# Altium PCB ADAPTONE_PCB_COPY.PcbDoc (part 9 of 11)
Units mil, origin at the board's own origin, x right, y up, seen from the top; angles counter-clockwise.
Board outline 10236.22 x 6701.71 mil, 4 copper layers (Top Layer, GND, Internal Plane 2, Bottom Layer), stack 30.2 mil thick; 1794 components, 935 nets, 4745 pads, 575 vias.
Unrouted connection lines stored in the file: 997.
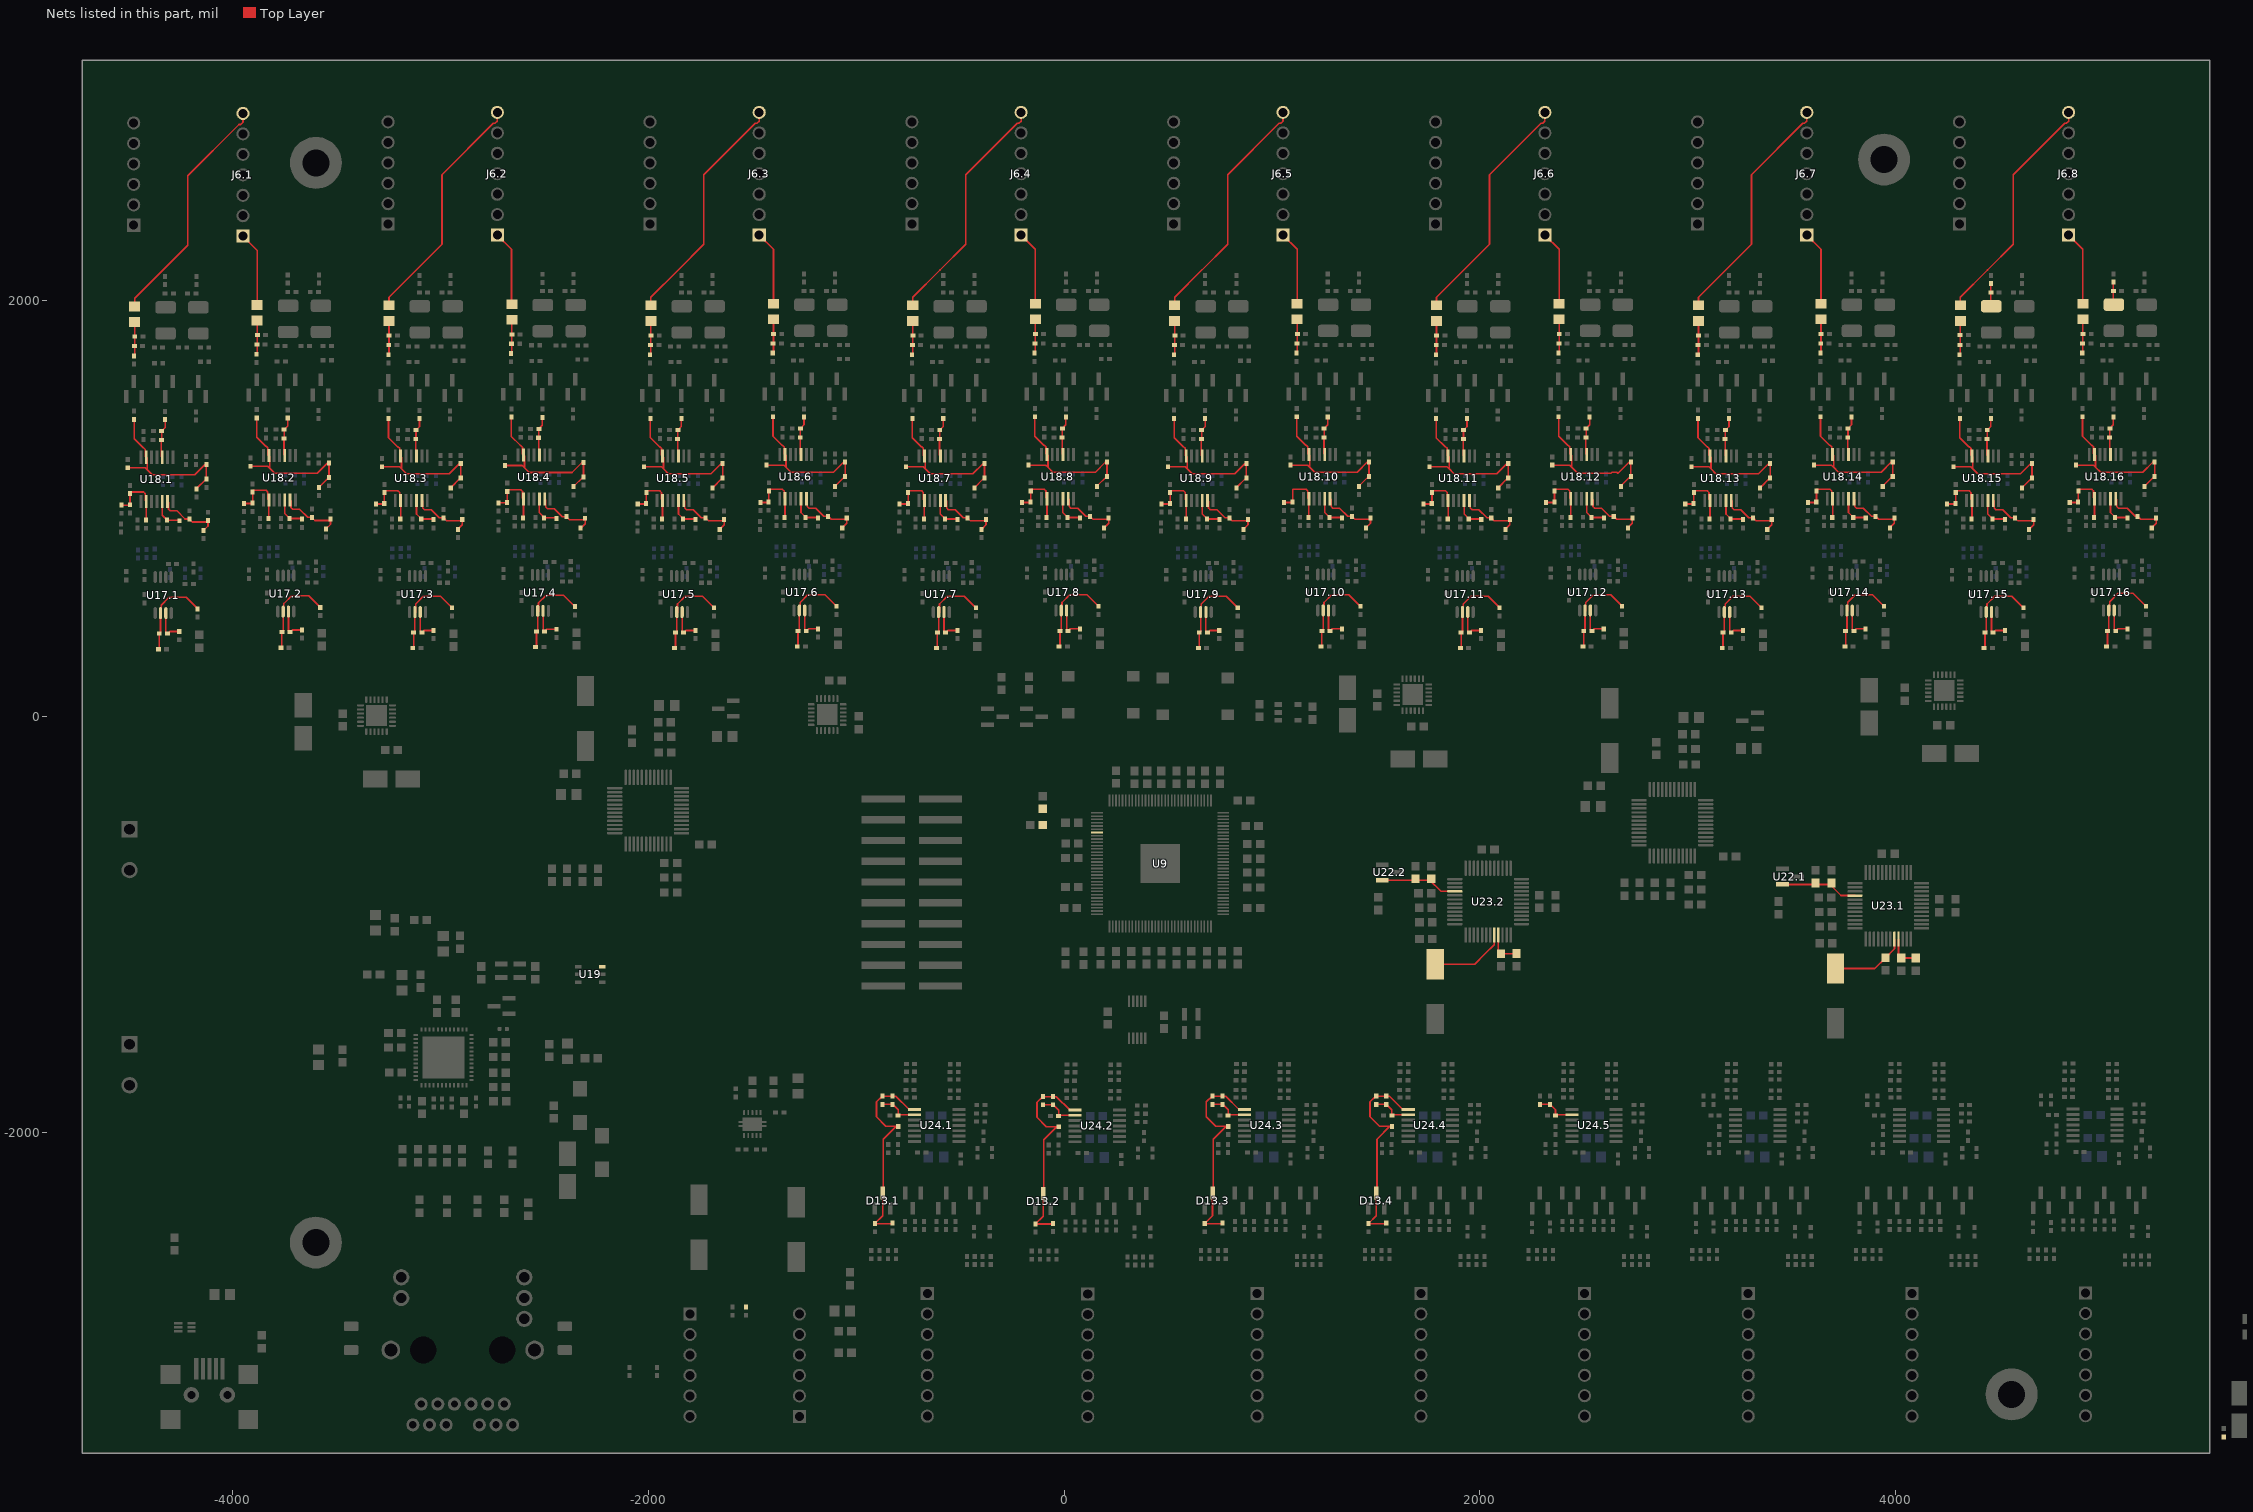
[diagram p11: the nets of this part, all layers, seen from the top]

## Via types
v1: diameter 25, hole 12, Top Layer to Bottom Layer, 566 vias
v2: diameter 19.68, hole 7.87, Top Layer to Bottom Layer, 9 vias

## Nets (pads, with @x,y where several pads share a name; then routed paths per layer and width w, separated by ;. In a path a pad name is that pad's centre, name@x,y a point inside that pad or via, vN(x,y) a via of type N, cw(c..) or ccw(c..) an arc to the next point about the centre after c; other vN are vias at no path point) (continued)
NetC72.15_1: C72.15.1 R45.15.2 R46.15.2 | length 109.9
  Top Layer w8: R46.15.2@4457.8,2083.17 4457.8,1976.23 C72.15.1@4459.87,1974.16
NetC72.16_1: C72.16.1 R45.16.2 R46.16.2 | length 109.9
  Top Layer w8: R46.16.2@5047.47,2090.65 5047.47,1983.71 C72.16.1@5049.54,1981.64
NetC73.1_2: C73.1.2 R44.1.2 R48.1.1 U18.1.3 | length 190
  Top Layer w8: U18.1.3@-4338.96,1247.96 -4342.87,1251.86 C73.1.2@-4342.87,1330.78 -4341.87,1331.78 R48.1.1@-4341.87,1373.78 -4324.84,1390.81 R44.1.2@-4324.84,1428.83
NetC73.2_2: C73.2.2 R44.2.2 R48.2.1 U18.2.3 | length 190
  Top Layer w8: U18.2.3@-3749.29,1255.43 -3753.2,1259.34 C73.2.2@-3753.2,1338.25 -3752.2,1339.25 R48.2.1@-3752.2,1381.25 -3735.17,1398.28 R44.2.2@-3735.17,1436.31
NetC73.3_2: C73.3.2 R44.3.2 R48.3.1 U18.3.3 | length 190
  Top Layer w8: U18.3.3@-3115.38,1253.09 -3119.29,1257 C73.3.2@-3119.29,1335.92 -3118.29,1336.92 R48.3.1@-3118.29,1378.92 -3101.26,1395.94 R44.3.2@-3101.26,1433.97
NetC73.4_2: C73.4.2 R44.4.2 R48.4.1 U18.4.3 | length 190
  Top Layer w8: U18.4.3@-2524.35,1258.68 -2528.26,1262.59 C73.4.2@-2528.26,1341.51 -2527.26,1342.51 R48.4.1@-2527.26,1384.51 -2510.23,1401.53 R44.4.2@-2510.23,1439.56
NetC73.5_2: C73.5.2 R44.5.2 R48.5.1 U18.5.3 | length 190
  Top Layer w8: U18.5.3@-1855.54,1253.09 -1859.44,1257 C73.5.2@-1859.44,1335.92 -1858.44,1336.92 R48.5.1@-1858.44,1378.92 -1841.42,1395.94 R44.5.2@-1841.42,1433.97
NetC73.6_2: C73.6.2 R44.6.2 R48.6.1 U18.6.3 | length 190
  Top Layer w8: U18.6.3@-1265.87,1260.57 -1269.77,1264.47 C73.6.2@-1269.77,1343.39 -1268.77,1344.39 R48.6.1@-1268.77,1386.39 -1251.75,1403.42 R44.6.2@-1251.75,1441.44
NetC73.7_2: C73.7.2 R44.7.2 R48.7.1 U18.7.3 | length 190
  Top Layer w8: U18.7.3@-595.7,1253.09 -599.6,1257 C73.7.2@-599.6,1335.92 -598.6,1336.92 R48.7.1@-598.6,1378.92 -581.57,1395.94 R44.7.2@-581.57,1433.97
NetC73.8_2: C73.8.2 R44.8.2 R48.8.1 U18.8.3 | length 190
  Top Layer w8: U18.8.3@-6.02,1260.57 -9.93,1264.47 C73.8.2@-9.93,1343.39 -8.93,1344.39 R48.8.1@-8.93,1386.39 8.1,1403.42 R44.8.2@8.1,1441.44
NetC73.9_2: C73.9.2 R44.9.2 R48.9.1 U18.9.3 | length 190
  Top Layer w8: U18.9.3@664.15,1253.09 660.24,1257 C73.9.2@660.24,1335.92 661.24,1336.92 R48.9.1@661.24,1378.92 678.27,1395.94 R44.9.2@678.27,1433.97
NetC73.10_2: C73.10.2 R44.10.2 R48.10.1 U18.10.3 | length 190
  Top Layer w8: U18.10.3@1253.82,1260.57 1249.91,1264.47 C73.10.2@1249.91,1343.39 1250.91,1344.39 R48.10.1@1250.91,1386.39 1267.94,1403.42 R44.10.2@1267.94,1441.44
NetC73.11_2: C73.11.2 R44.11.2 R48.11.1 U18.11.3 | length 190
  Top Layer w8: U18.11.3@1923.99,1253.09 1920.08,1257 C73.11.2@1920.08,1335.92 1921.08,1336.92 R48.11.1@1921.08,1378.92 1938.11,1395.94 R44.11.2@1938.11,1433.97
NetC73.12_2: C73.12.2 R44.12.2 R48.12.1 U18.12.3 | length 190
  Top Layer w8: U18.12.3@2513.66,1260.57 2509.75,1264.47 C73.12.2@2509.75,1343.39 2510.75,1344.39 R48.12.1@2510.75,1386.39 2527.78,1403.42 R44.12.2@2527.78,1441.44
NetC73.13_2: C73.13.2 R44.13.2 R48.13.1 U18.13.3 | length 190
  Top Layer w8: U18.13.3@3183.83,1253.09 3179.92,1257 C73.13.2@3179.92,1335.92 3180.92,1336.92 R48.13.1@3180.92,1378.92 3197.95,1395.94 R44.13.2@3197.95,1433.97
NetC73.14_2: C73.14.2 R44.14.2 R48.14.1 U18.14.3 | length 190
  Top Layer w8: U18.14.3@3773.5,1260.57 3769.6,1264.47 C73.14.2@3769.6,1343.39 3770.6,1344.39 R48.14.1@3770.6,1386.39 3787.62,1403.42 R44.14.2@3787.62,1441.44
NetC73.15_2: C73.15.2 R44.15.2 R48.15.1 U18.15.3 | length 190
  Top Layer w8: U18.15.3@4443.67,1253.09 4439.77,1257 C73.15.2@4439.77,1335.92 4440.77,1336.92 R48.15.1@4440.77,1378.92 4457.8,1395.94 R44.15.2@4457.8,1433.97
NetC73.16_2: C73.16.2 R44.16.2 R48.16.1 U18.16.3 | length 190
  Top Layer w8: U18.16.3@5033.35,1260.57 5029.44,1264.47 C73.16.2@5029.44,1343.39 5030.44,1344.39 R48.16.1@5030.44,1386.39 5047.47,1403.42 R44.16.2@5047.47,1441.44
NetC75.1_1: C75.1.1 R47.1.1 R50.1.1 U17.1.6 | length 444.5
  Top Layer w8: R47.1.1@-4353.1,328.02 C75.1.1@-4353.1,399.02 ; C75.1.1@-4345.21,406.91 C75.1.1@-4353.1,399.02 ; U17.1.6@-4343.44,494.72 -4343.13,494.72 U17.1.6@-4343.13,501.8 ; R50.1.1@-4168.17,518.42 -4223.47,573.72 -4305.97,573.72 -4343.13,536.56 U17.1.6@-4343.13,501.8 ; C75.1.1@-4353.1,399.02 -4346.82,405.3 U17.1.6@-4346.82,498.1 U17.1.6@-4343.13,501.8
NetC75.1_2: C75.1.2 R51.1.1 U17.1.7 | length 163.2
  Top Layer w8: U17.1.7@-4321.23,498.1 -4321.23,406.52 C75.1.2@-4313.73,399.02 -4303.34,409.4 R51.1.1@-4257.03,409.4
NetC75.2_1: C75.2.1 R47.2.1 R50.2.1 U17.2.6 | length 444.5
  Top Layer w8: R47.2.1@-3763.43,335.49 C75.2.1@-3763.43,406.49 ; C75.2.1@-3755.54,414.38 C75.2.1@-3763.43,406.49 ; U17.2.6@-3753.76,502.2 -3753.46,502.2 U17.2.6@-3753.46,509.27 ; R50.2.1@-3578.5,525.89 -3633.8,581.2 -3716.29,581.2 -3753.46,544.03 U17.2.6@-3753.46,509.27 ; C75.2.1@-3763.43,406.49 -3757.15,412.77 U17.2.6@-3757.15,505.58 U17.2.6@-3753.46,509.27
NetC75.2_2: C75.2.2 R51.2.1 U17.2.7 | length 163.2
  Top Layer w8: U17.2.7@-3731.56,505.58 -3731.56,413.99 C75.2.2@-3724.06,406.49 -3713.67,416.88 R51.2.1@-3667.35,416.88
NetC75.3_1: C75.3.1 R47.3.1 R50.3.1 U17.3.6 | length 444.5
  Top Layer w8: R47.3.1@-3129.52,333.16 C75.3.1@-3129.52,404.16 ; C75.3.1@-3121.63,412.05 C75.3.1@-3129.52,404.16 ; U17.3.6@-3119.85,499.86 -3119.55,499.86 U17.3.6@-3119.55,506.93 ; R50.3.1@-2944.59,523.55 -2999.89,578.86 -3082.39,578.86 -3119.55,541.69 U17.3.6@-3119.55,506.93 ; C75.3.1@-3129.52,404.16 -3123.24,410.44 U17.3.6@-3123.24,503.24 U17.3.6@-3119.55,506.93
NetC75.3_2: C75.3.2 R51.3.1 U17.3.7 | length 163.2
  Top Layer w8: U17.3.7@-3097.65,503.24 -3097.65,411.66 C75.3.2@-3090.15,404.16 -3079.76,414.54 R51.3.1@-3033.44,414.54
NetC75.4_1: C75.4.1 R47.4.1 R50.4.1 U17.4.6 | length 444.5
  Top Layer w8: R47.4.1@-2538.49,338.75 C75.4.1@-2538.49,409.75 ; C75.4.1@-2530.6,417.64 C75.4.1@-2538.49,409.75 ; U17.4.6@-2528.82,505.45 -2528.52,505.45 U17.4.6@-2528.52,512.52 ; R50.4.1@-2353.55,529.14 -2408.86,584.45 -2491.35,584.45 -2528.52,547.28 U17.4.6@-2528.52,512.52 ; C75.4.1@-2538.49,409.75 -2532.21,416.03 U17.4.6@-2532.21,508.83 U17.4.6@-2528.52,512.52
NetC75.4_2: C75.4.2 R51.4.1 U17.4.7 | length 163.2
  Top Layer w8: U17.4.7@-2506.62,508.83 -2506.62,417.25 C75.4.2@-2499.12,409.75 -2488.73,420.13 R51.4.1@-2442.41,420.13
NetC75.5_1: C75.5.1 R47.5.1 R50.5.1 U17.5.6 | length 444.5
  Top Layer w8: R47.5.1@-1869.68,333.16 C75.5.1@-1869.68,404.16 ; C75.5.1@-1861.79,412.05 C75.5.1@-1869.68,404.16 ; U17.5.6@-1860.01,499.86 -1859.71,499.86 U17.5.6@-1859.71,506.93 ; R50.5.1@-1684.74,523.55 -1740.05,578.86 -1822.54,578.86 -1859.71,541.69 U17.5.6@-1859.71,506.93 ; C75.5.1@-1869.68,404.16 -1863.4,410.44 U17.5.6@-1863.4,503.24 U17.5.6@-1859.71,506.93
NetC75.5_2: C75.5.2 R51.5.1 U17.5.7 | length 163.2
  Top Layer w8: U17.5.7@-1837.81,503.24 -1837.81,411.66 C75.5.2@-1830.31,404.16 -1819.92,414.54 R51.5.1@-1773.6,414.54
NetC75.6_1: C75.6.1 R47.6.1 R50.6.1 U17.6.6 | length 444.5
  Top Layer w8: R47.6.1@-1280,340.63 C75.6.1@-1280,411.63 ; C75.6.1@-1272.11,419.52 C75.6.1@-1280,411.63 ; U17.6.6@-1270.34,507.33 -1270.03,507.33 U17.6.6@-1270.03,514.41 ; R50.6.1@-1095.07,531.03 -1150.37,586.33 -1232.87,586.33 -1270.03,549.17 U17.6.6@-1270.03,514.41 ; C75.6.1@-1280,411.63 -1273.72,417.91 U17.6.6@-1273.72,510.72 U17.6.6@-1270.03,514.41
NetC75.6_2: C75.6.2 R51.6.1 U17.6.7 | length 163.2
  Top Layer w8: U17.6.7@-1248.13,510.72 -1248.13,419.13 C75.6.2@-1240.63,411.63 -1230.25,422.02 R51.6.1@-1183.93,422.02
NetC75.7_1: C75.7.1 R47.7.1 R50.7.1 U17.7.6 | length 444.5
  Top Layer w8: R47.7.1@-609.83,333.16 C75.7.1@-609.83,404.16 ; C75.7.1@-601.94,412.05 C75.7.1@-609.83,404.16 ; U17.7.6@-600.17,499.86 -599.86,499.86 U17.7.6@-599.86,506.93 ; R50.7.1@-424.9,523.55 -480.2,578.86 -562.7,578.86 -599.86,541.69 U17.7.6@-599.86,506.93 ; C75.7.1@-609.83,404.16 -603.55,410.44 U17.7.6@-603.55,503.24 U17.7.6@-599.86,506.93
NetC75.7_2: C75.7.2 R51.7.1 U17.7.7 | length 163.2
  Top Layer w8: U17.7.7@-577.96,503.24 -577.96,411.66 C75.7.2@-570.46,404.16 -560.08,414.54 R51.7.1@-513.76,414.54
NetC75.8_1: C75.8.1 R47.8.1 R50.8.1 U17.8.6 | length 444.5
  Top Layer w8: R47.8.1@-20.16,340.63 C75.8.1@-20.16,411.63 ; C75.8.1@-12.27,419.52 C75.8.1@-20.16,411.63 ; U17.8.6@-10.5,507.33 -10.19,507.33 U17.8.6@-10.19,514.41 ; R50.8.1@164.77,531.03 109.47,586.33 26.97,586.33 -10.19,549.17 U17.8.6@-10.19,514.41 ; C75.8.1@-20.16,411.63 -13.88,417.91 U17.8.6@-13.88,510.72 U17.8.6@-10.19,514.41
NetC75.8_2: C75.8.2 R51.8.1 U17.8.7 | length 163.2
  Top Layer w8: U17.8.7@11.71,510.72 11.71,419.13 C75.8.2@19.21,411.63 29.59,422.02 R51.8.1@75.91,422.02
NetC75.9_1: C75.9.1 R47.9.1 R50.9.1 U17.9.6 | length 444.5
  Top Layer w8: R47.9.1@650.01,333.16 C75.9.1@650.01,404.16 ; C75.9.1@657.9,412.05 C75.9.1@650.01,404.16 ; U17.9.6@659.67,499.86 659.98,499.86 U17.9.6@659.98,506.93 ; R50.9.1@834.94,523.55 779.64,578.86 697.14,578.86 659.98,541.69 U17.9.6@659.98,506.93 ; C75.9.1@650.01,404.16 656.29,410.44 U17.9.6@656.29,503.24 U17.9.6@659.98,506.93
NetC75.9_2: C75.9.2 R51.9.1 U17.9.7 | length 163.2
  Top Layer w8: U17.9.7@681.88,503.24 681.88,411.66 C75.9.2@689.38,404.16 699.76,414.54 R51.9.1@746.08,414.54
NetC75.10_1: C75.10.1 R47.10.1 R50.10.1 U17.10.6 | length 444.5
  Top Layer w8: R47.10.1@1239.68,340.63 C75.10.1@1239.68,411.63 ; C75.10.1@1247.57,419.52 C75.10.1@1239.68,411.63 ; U17.10.6@1249.35,507.33 1249.65,507.33 U17.10.6@1249.65,514.41 ; R50.10.1@1424.61,531.03 1369.31,586.33 1286.81,586.33 1249.65,549.17 U17.10.6@1249.65,514.41 ; C75.10.1@1239.68,411.63 1245.96,417.91 U17.10.6@1245.96,510.72 U17.10.6@1249.65,514.41
NetC75.10_2: C75.10.2 R51.10.1 U17.10.7 | length 163.2
  Top Layer w8: U17.10.7@1271.55,510.72 1271.55,419.13 C75.10.2@1279.05,411.63 1289.44,422.02 R51.10.1@1335.76,422.02
NetC75.11_1: C75.11.1 R47.11.1 R50.11.1 U17.11.6 | length 444.5
  Top Layer w8: R47.11.1@1909.85,333.16 C75.11.1@1909.85,404.16 ; C75.11.1@1917.74,412.05 C75.11.1@1909.85,404.16 ; U17.11.6@1919.52,499.86 1919.82,499.86 U17.11.6@1919.82,506.93 ; R50.11.1@2094.78,523.55 2039.48,578.86 1956.99,578.86 1919.82,541.69 U17.11.6@1919.82,506.93 ; C75.11.1@1909.85,404.16 1916.13,410.44 U17.11.6@1916.13,503.24 U17.11.6@1919.82,506.93
NetC75.11_2: C75.11.2 R51.11.1 U17.11.7 | length 163.2
  Top Layer w8: U17.11.7@1941.72,503.24 1941.72,411.66 C75.11.2@1949.22,404.16 1959.61,414.54 R51.11.1@2005.93,414.54
NetC75.12_1: C75.12.1 R47.12.1 R50.12.1 U17.12.6 | length 444.5
  Top Layer w8: R47.12.1@2499.52,340.63 C75.12.1@2499.52,411.63 ; C75.12.1@2507.41,419.52 C75.12.1@2499.52,411.63 ; U17.12.6@2509.19,507.33 2509.49,507.33 U17.12.6@2509.49,514.41 ; R50.12.1@2684.46,531.03 2629.15,586.33 2546.66,586.33 2509.49,549.17 U17.12.6@2509.49,514.41 ; C75.12.1@2499.52,411.63 2505.8,417.91 U17.12.6@2505.8,510.72 U17.12.6@2509.49,514.41
NetC75.12_2: C75.12.2 R51.12.1 U17.12.7 | length 163.2
  Top Layer w8: U17.12.7@2531.39,510.72 2531.39,419.13 C75.12.2@2538.89,411.63 2549.28,422.02 R51.12.1@2595.6,422.02
NetC75.13_1: C75.13.1 R47.13.1 R50.13.1 U17.13.6 | length 444.5
  Top Layer w8: R47.13.1@3169.69,333.16 C75.13.1@3169.69,404.16 ; C75.13.1@3177.58,412.05 C75.13.1@3169.69,404.16 ; U17.13.6@3179.36,499.86 3179.66,499.86 U17.13.6@3179.66,506.93 ; R50.13.1@3354.63,523.55 3299.32,578.86 3216.83,578.86 3179.66,541.69 U17.13.6@3179.66,506.93 ; C75.13.1@3169.69,404.16 3175.97,410.44 U17.13.6@3175.97,503.24 U17.13.6@3179.66,506.93
NetC75.13_2: C75.13.2 R51.13.1 U17.13.7 | length 163.2
  Top Layer w8: U17.13.7@3201.56,503.24 3201.56,411.66 C75.13.2@3209.06,404.16 3219.45,414.54 R51.13.1@3265.77,414.54
NetC75.14_1: C75.14.1 R47.14.1 R50.14.1 U17.14.6 | length 445.3
  Top Layer w8: R47.14.1@3759.37,340.63 C75.14.1@3759.37,411.63 ; C75.14.1@3767.26,419.52 C75.14.1@3759.37,411.63 ; U17.14.6@3769.03,507.33 3769.34,507.33 U17.14.6@3769.34,514.41 ; R50.14.1@3944.3,531.03 3888.5,586.83 3806.29,586.83 3769.34,549.88 U17.14.6@3769.34,514.41 ; C75.14.1@3759.37,411.63 3765.65,417.91 U17.14.6@3765.65,510.72 U17.14.6@3769.34,514.41
NetC75.14_2: C75.14.2 R51.14.1 U17.14.7 | length 163.2
  Top Layer w8: U17.14.7@3791.24,510.72 3791.24,419.13 C75.14.2@3798.74,411.63 3809.12,422.02 R51.14.1@3855.44,422.02
NetC75.15_1: C75.15.1 R47.15.1 R50.15.1 U17.15.6 | length 444.5
  Top Layer w8: R47.15.1@4429.54,333.16 C75.15.1@4429.54,404.16 ; C75.15.1@4437.43,412.05 C75.15.1@4429.54,404.16 ; U17.15.6@4439.2,499.86 4439.51,499.86 U17.15.6@4439.51,506.93 ; R50.15.1@4614.47,523.55 4559.17,578.86 4476.67,578.86 4439.51,541.69 U17.15.6@4439.51,506.93 ; C75.15.1@4429.54,404.16 4435.82,410.44 U17.15.6@4435.82,503.24 U17.15.6@4439.51,506.93
NetC75.15_2: C75.15.2 R51.15.1 U17.15.7 | length 163.2
  Top Layer w8: U17.15.7@4461.41,503.24 4461.41,411.66 C75.15.2@4468.91,404.16 4479.29,414.54 R51.15.1@4525.61,414.54
NetC75.16_1: C75.16.1 R47.16.1 R50.16.1 U17.16.6 | length 452.1
  Top Layer w8: R47.16.1@5019.21,340.63 C75.16.1@5019.21,411.63 ; C75.16.1@5027.1,419.52 C75.16.1@5019.21,411.63 ; U17.16.6@5028.87,507.33 5029.18,507.33 U17.16.6@5029.18,514.41 ; R50.16.1@5204.14,531.03 5142.17,593 5069.47,593 5029.18,552.7 U17.16.6@5029.18,514.41 ; C75.16.1@5019.21,411.63 5025.49,417.91 U17.16.6@5025.49,510.72 U17.16.6@5029.18,514.41
NetC75.16_2: C75.16.2 R51.16.1 U17.16.7 | length 163.2
  Top Layer w8: U17.16.7@5051.08,510.72 5051.08,419.13 C75.16.2@5058.58,411.63 5068.96,422.02 R51.16.1@5115.28,422.02
NetC79.1_1: C79.1.1 R52.1.2 R54.1.2 U18.1.13 | length 314.4
  Top Layer w8: U18.1.13@-4313.37,1035.36 -4308.67,1030.66 -4308.67,998.06 -4300.47,989.86 -4267.88,989.86 -4229.05,951.03 R52.1.2@-4208.55,951.03 -4193.87,936.35 -4126.39,936.35 C79.1.1@-4119,943.74 -4119,917.16 R54.1.2@-4140.44,895.72
NetC79.2_1: C79.2.1 R52.2.2 R54.2.2 U18.2.13 | length 314.4
  Top Layer w8: U18.2.13@-3723.7,1042.83 -3719,1038.13 -3719,1005.54 -3710.8,997.34 -3678.2,997.34 -3639.38,958.51 R52.2.2@-3618.88,958.51 -3604.2,943.83 -3536.72,943.83 C79.2.1@-3529.33,951.22 -3529.33,924.64 R54.2.2@-3550.77,903.2
NetC79.3_1: C79.3.1 R52.3.2 R54.3.2 U18.3.13 | length 314.4
  Top Layer w8: U18.3.13@-3089.79,1040.49 -3085.09,1035.79 -3085.09,1003.2 -3076.89,995 -3044.3,995 -3005.47,956.17 R52.3.2@-2984.97,956.17 -2970.29,941.49 -2902.81,941.49 C79.3.1@-2895.42,948.88 -2895.42,922.3 R54.3.2@-2916.86,900.86
NetC79.4_1: C79.4.1 R52.4.2 R54.4.2 U18.4.13 | length 314.4
  Top Layer w8: U18.4.13@-2498.76,1046.08 -2494.06,1041.38 -2494.06,1008.79 -2485.86,1000.59 -2453.26,1000.59 -2414.44,961.76 R52.4.2@-2393.94,961.76 -2379.26,947.08 -2311.78,947.08 C79.4.1@-2304.39,954.47 -2304.39,927.89 R54.4.2@-2325.83,906.45
NetC79.5_1: C79.5.1 R52.5.2 R54.5.2 U18.5.13 | length 314.4
  Top Layer w8: U18.5.13@-1829.95,1040.49 -1825.25,1035.79 -1825.25,1003.2 -1817.05,995 -1784.45,995 -1745.63,956.17 R52.5.2@-1725.13,956.17 -1710.45,941.49 -1642.97,941.49 C79.5.1@-1635.58,948.88 -1635.58,922.3 R54.5.2@-1657.02,900.86
NetC79.6_1: C79.6.1 R52.6.2 R54.6.2 U18.6.13 | length 314.4
  Top Layer w8: U18.6.13@-1240.28,1047.97 -1235.58,1043.27 -1235.58,1010.68 -1227.37,1002.47 -1194.78,1002.47 -1155.95,963.65 R52.6.2@-1135.46,963.65 -1120.77,948.96 -1053.3,948.96 C79.6.1@-1045.9,956.36 -1045.9,929.78 R54.6.2@-1067.35,908.33
NetC79.7_1: C79.7.1 R52.7.2 R54.7.2 U18.7.13 | length 314.4
  Top Layer w8: U18.7.13@-570.11,1040.49 -565.41,1035.79 -565.41,1003.2 -557.2,995 -524.61,995 -485.78,956.17 R52.7.2@-465.29,956.17 -450.6,941.49 -383.13,941.49 C79.7.1@-375.73,948.88 -375.73,922.3 R54.7.2@-397.18,900.86
NetC79.8_1: C79.8.1 R52.8.2 R54.8.2 U18.8.13 | length 314.4
  Top Layer w8: U18.8.13@19.57,1047.97 24.27,1043.27 24.27,1010.68 32.47,1002.47 65.06,1002.47 103.89,963.65 R52.8.2@124.38,963.65 139.07,948.96 206.54,948.96 C79.8.1@213.94,956.36 213.94,929.78 R54.8.2@192.5,908.33
NetC79.9_1: C79.9.1 R52.9.2 R54.9.2 U18.9.13 | length 314.4
  Top Layer w8: U18.9.13@689.74,1040.49 694.44,1035.79 694.44,1003.2 702.64,995 735.23,995 774.06,956.17 R52.9.2@794.56,956.17 809.24,941.49 876.72,941.49 C79.9.1@884.11,948.88 884.11,922.3 R54.9.2@862.67,900.86
NetC79.10_1: C79.10.1 R52.10.2 R54.10.2 U18.10.13 | length 314.4
  Top Layer w8: U18.10.13@1279.41,1047.97 1284.11,1043.27 1284.11,1010.68 1292.31,1002.47 1324.9,1002.47 1363.73,963.65 R52.10.2@1384.23,963.65 1398.91,948.96 1466.39,948.96 C79.10.1@1473.78,956.36 1473.78,929.78 R54.10.2@1452.34,908.33
NetC79.11_1: C79.11.1 R52.11.2 R54.11.2 U18.11.13 | length 314.4
  Top Layer w8: U18.11.13@1949.58,1040.49 1954.28,1035.79 1954.28,1003.2 1962.48,995 1995.07,995 2033.9,956.17 R52.11.2@2054.4,956.17 2069.08,941.49 2136.56,941.49 C79.11.1@2143.95,948.88 2143.95,922.3 R54.11.2@2122.51,900.86
NetC79.12_1: C79.12.1 R52.12.2 R54.12.2 U18.12.13 | length 314.4
  Top Layer w8: U18.12.13@2539.25,1047.97 2543.95,1043.27 2543.95,1010.68 2552.15,1002.47 2584.75,1002.47 2623.57,963.65 R52.12.2@2644.07,963.65 2658.75,948.96 2726.23,948.96 C79.12.1@2733.62,956.36 2733.62,929.78 R54.12.2@2712.18,908.33
NetC79.13_1: C79.13.1 R52.13.2 R54.13.2 U18.13.13 | length 314.4
  Top Layer w8: U18.13.13@3209.42,1040.49 3214.12,1035.79 3214.12,1003.2 3222.32,995 3254.92,995 3293.74,956.17 R52.13.2@3314.24,956.17 3328.92,941.49 3396.4,941.49 C79.13.1@3403.79,948.88 3403.79,922.3 R54.13.2@3382.35,900.86
NetC79.14_1: C79.14.1 R52.14.2 R54.14.2 U18.14.13 | length 314.4
  Top Layer w8: U18.14.13@3799.09,1047.97 3803.79,1043.27 3803.79,1010.68 3811.99,1002.47 3844.59,1002.47 3883.42,963.65 R52.14.2@3903.91,963.65 3918.6,948.96 3986.07,948.96 C79.14.1@3993.47,956.36 3993.47,929.78 R54.14.2@3972.02,908.33
NetC79.15_1: C79.15.1 R52.15.2 R54.15.2 U18.15.13 | length 314.4
  Top Layer w8: U18.15.13@4469.26,1040.49 4473.96,1035.79 4473.96,1003.2 4482.17,995 4514.76,995 4553.59,956.17 R52.15.2@4574.08,956.17 4588.77,941.49 4656.24,941.49 C79.15.1@4663.64,948.88 4663.64,922.3 R54.15.2@4642.19,900.86
NetC79.16_1: C79.16.1 R52.16.2 R54.16.2 U18.16.13 | length 314.4
  Top Layer w8: U18.16.13@5058.94,1047.97 5063.64,1043.27 5063.64,1010.68 5071.84,1002.47 5114.53,1002.47 5153.35,963.65 R52.16.2@5163.75,963.65 5178.44,948.96 5245.92,948.96 C79.16.1@5253.31,956.36 5253.31,929.78 R54.16.2@5231.87,908.33
NetC80.1_1: C80.1.1 R53.1.1 R58.1.1 R60.1.2 R63.1.2 U18.1.6 | length 819.3
  Top Layer w8: C80.1.1@-4504.55,1197.03 -4420.87,1197.03 -4411.03,1187.2 ; R58.1.1@-4473.78,1429.93 -4473.78,1336.87 -4430.36,1293.45 -4428.64,1293.45 -4420.44,1285.25 -4420.44,1252.66 U18.1.6@-4415.74,1247.96 -4411.03,1243.25 -4411.03,1187.2 ; R63.1.2@-4174.55,1095.4 -4174.55,1096.49 -4128.64,1142.4 R60.1.2@-4126.55,1142.4 R53.1.1@-4126.55,1212.03 -4134.1,1212.03 -4182.42,1163.72 -4387.55,1163.72 -4411.03,1187.2
NetC80.2_1: C80.2.1 R53.2.1 R58.2.1 R60.2.2 R63.2.2 U18.2.6 | length 819.3
  Top Layer w8: C80.2.1@-3914.88,1204.51 -3831.2,1204.51 -3821.36,1194.68 ; R58.2.1@-3884.11,1437.41 -3884.11,1344.34 -3840.69,1300.93 -3838.97,1300.93 -3830.76,1292.73 -3830.76,1260.13 U18.2.6@-3826.06,1255.43 -3821.36,1250.73 -3821.36,1194.68 ; R63.2.2@-3584.88,1102.88 -3584.88,1103.96 -3538.96,1149.88 R60.2.2@-3536.88,1149.88 R53.2.1@-3536.88,1219.51 -3544.43,1219.51 -3592.74,1171.2 -3797.88,1171.2 -3821.36,1194.68